# Altium PCB HYDRA_V2.2_NAV.PcbDoc (part 1 of 2) (continued)
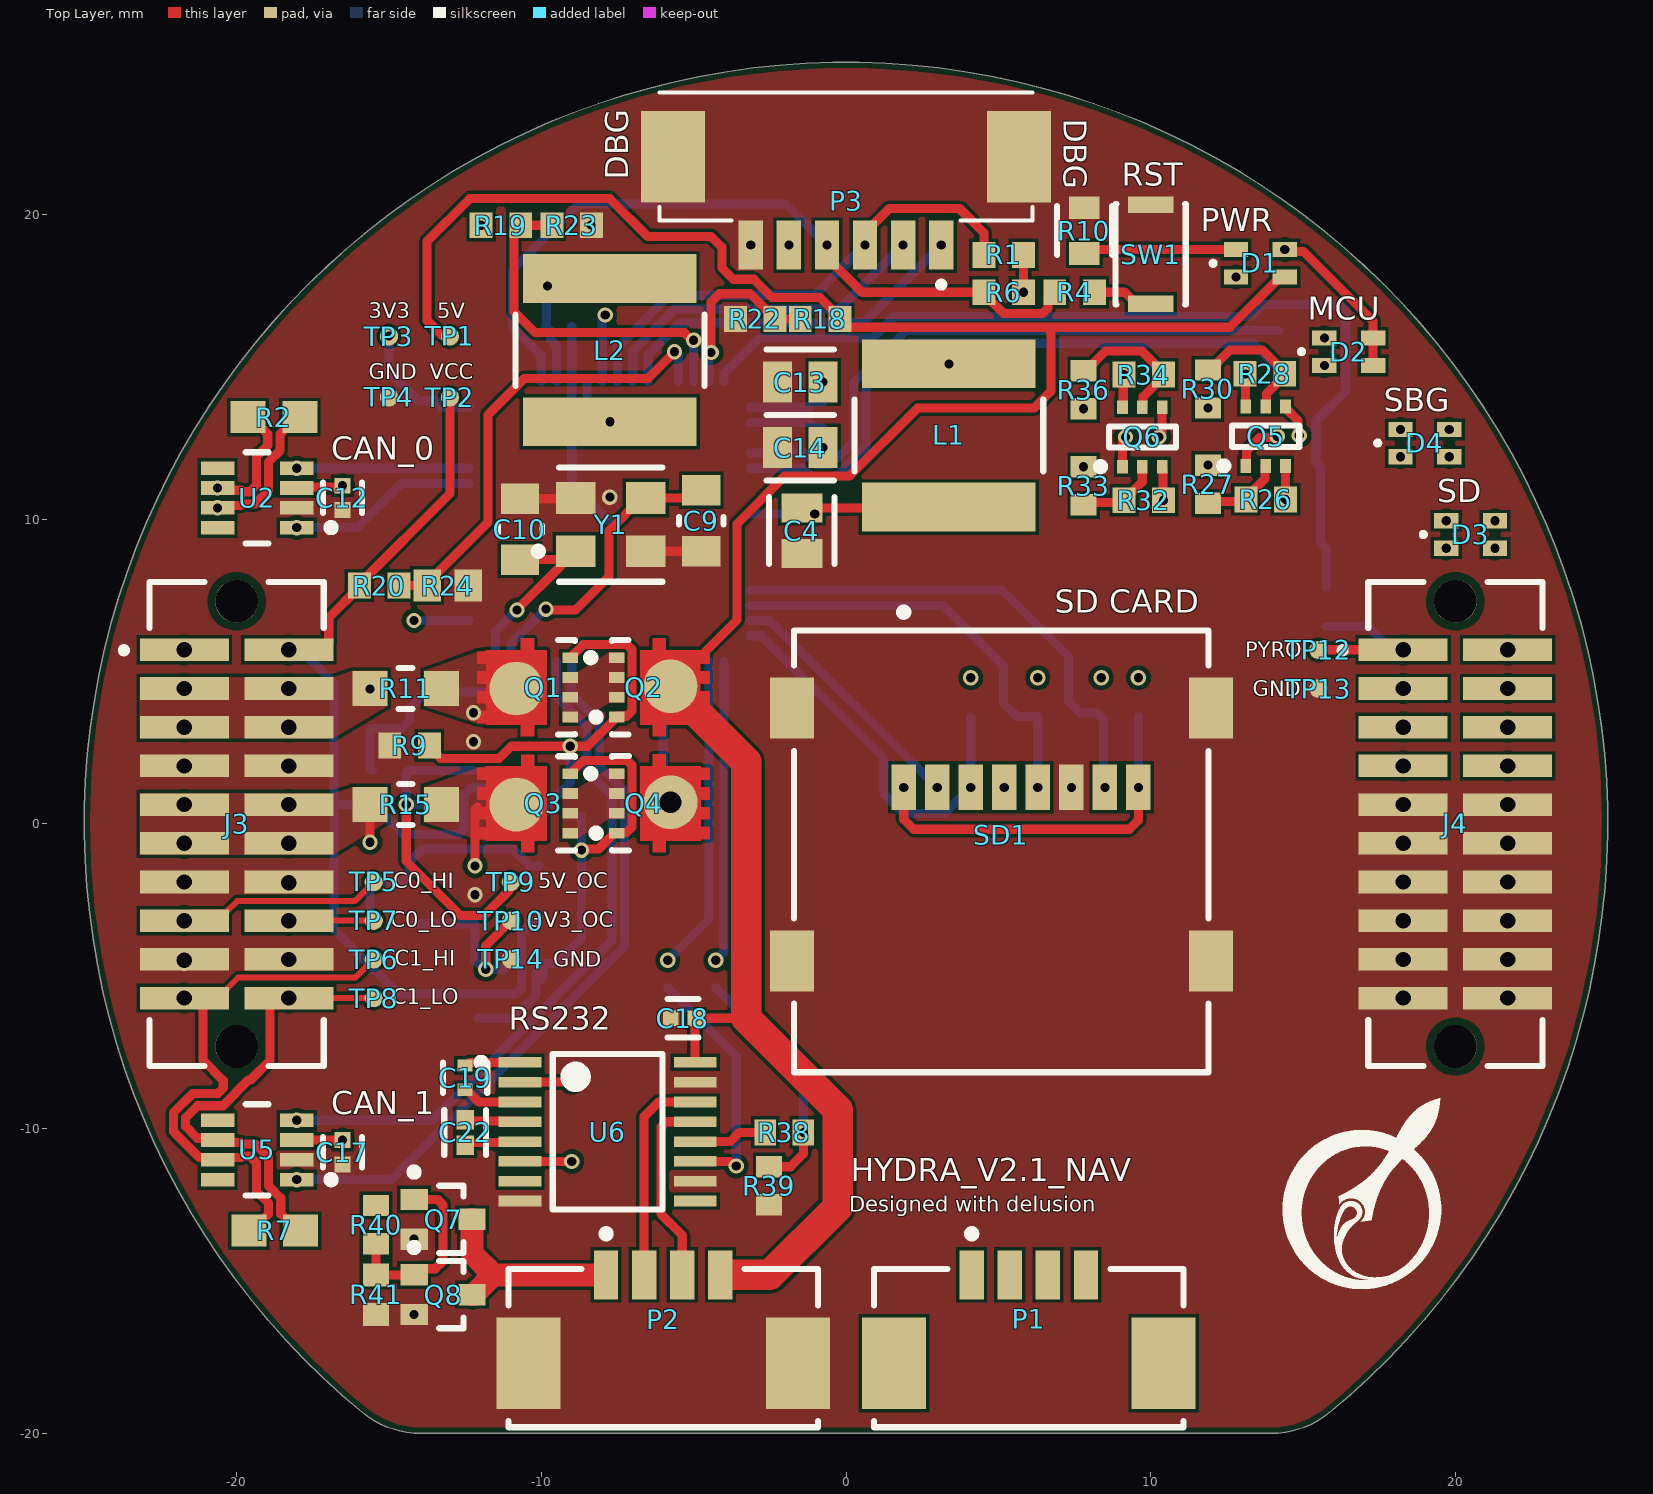
[diagram p0: Top Layer view]
## Design rules (kind name [scope] priority, off if disabled: settings)
BoardOutlineClearance [All] p1: gap=0.2 ignorepadtopadclearanceinfootprint=FALSE
Clearance [All] p1: gap=0.102 ignorepadtopadclearanceinfootprint=FALSE except(0.127: Arc-Via Track-Via SMDPad-Via THPad-Via Via-Via Via-Fill Via-Poly Via-Region Via-Text; 0.25: Arc-Hole Track-Hole SMDPad-Hole THPad-Hole Via-Hole Fill-Hole Poly-Hole Region-Hole Text-Hole)
ComponentClearance [All] p1: gap=0.102 collisioncheckmode=3 verticalgap=0.102 showdistances=TRUE
DiffPairsRouting [All] p1: maxlimit=0.102 minlimit=0.102 mostfreqgap=0.102 toplayer_minwidth=0.102 toplayer_maxwidth=1816.048 toplayer_prefwidth=0.102 midlayer1_minwidth=0.102 midlayer1_maxwidth=1816.048 midlayer1_prefwidth=0.102 midlayer2_minwidth=0.102 midlayer2_maxwidth=1816.048 midlayer2_prefwidth=0.102 bottomlayer_minwidth=0.102 bottomlayer_maxwidth=1816.048 bottomlayer_prefwidth=0.102 maxuncoupledlength=12.7
Height [All] p1: minheight=0 maxheight=1816.048 prefheight=12.7
HoleSize [All] p1: absolutevalues=TRUE maxlimit=6.3 minlimit=0.2 maxpercent=80.000 minpercent=20.000
HoleToHoleClearance [All] p1: gap=0.25 allowstackedmicrovias=FALSE
MinimumAnnularRing [All] p1: minimumring=0.076
MinimumSolderMaskSliver [All] p1: minsoldermaskwidth=0
PlaneClearance [All] p1: clearance=0.102
PlaneConnect PlaneConnectPowerPads [InPadClass('PowerPads')] p1: planeconnectstyle=Direct reliefexpansion=0.508 reliefentries=4 reliefconductorwidth=0.254 reliefairgap=0.254
PlaneConnect [All] p2: pad.planeconnectstyle=Relief pad.reliefexpansion=0.3 pad.reliefentries=4 pad.reliefconductorwidth=0.102 pad.reliefairgap=0.102 via.planeconnectstyle=Direct via.reliefexpansion=0.3 via.reliefentries=4 via.reliefconductorwidth=0.127 via.reliefairgap=0.127
PolygonConnect PolygonConnectPowerPads [All vs (InPadClass('PowerPads'))] p1: connectstyle=Direct reliefconductorwidth=0.254 reliefentries=4 polygonreliefangle="90 Angle" airgapwidth=0.254
PolygonConnect [All] p2: thpad.connectstyle=Relief thpad.reliefconductorwidth=0.102 thpad.reliefentries=4 thpad.polygonreliefangle="90 Angle" thpad.airgapwidth=0.102 smdpad.connectstyle=Direct smdpad.reliefconductorwidth=0.102 smdpad.reliefentries=4 smdpad.polygonreliefangle="90 Angle" smdpad.airgapwidth=0.102 via.connectstyle=Direct via.reliefconductorwidth=0.127 via.reliefentries=4 via.polygonreliefangle="90 Angle" via.airgapwidth=0.127
RoutingVias [All] p1: holewidth=0.2 width=0.45 viastyle="Through Hole" minholewidth=0.2 minwidth=0.45 maxholewidth=6.3 maxwidth=6.55
SilkToSilkClearance [All] p1: silktosilkclearance=0
SilkToSolderMaskClearance [IsPad] p1: minsilkscreentomaskgap=0.102 clearancetoexposedcopper=TRUE
SolderMaskExpansion [All] p1: expansion=0.075 istentingtop=FALSE
Width [All] p1: maxlimit=1816.048 minlimit=0.102 preferedwidth=0.102
20 further rules are at their usual default settings.

## Classes and differential pairs
component class SD: C23 R42 R43 R44 R45 SD1
component class SBG: C18 C19 C20 C21 C22 Q7 Q8 R38 R39 R40 R41 R46 R47 U6
component class OC_PROT: C15 C16 D5 D6 D8 Q1 Q2 Q3 Q4 R9 R11 R12 R13 R14 R15 R16 R17 TP9 TP10 TP14 U3 U4
component class MCU_PINOUT: C1 C2 C3 C4 C5 C6 C7 C8 C9 C10 C11 C12 C13 C14 C17 D1 D2 D3 D4 D7 L1 L2 P3 Q5 Q6 R1 R2 R3 R4 R5 R6 R7 R8 R10 R18 R19 R20 R21 R22 R23 R24 R25 R26 R27 R28 R29 R30 R31 R32 R33 R34 R35 R36 R37 SW1 TP1 TP2 TP3 TP4 TP5 TP6 TP7 TP8 TP12 TP13 U1 U2 U5 Y1 Y2
component class HYDRA_V2.1_NAV: J1 J2 J3 J4 P1 P2
differential pair CAN1_R: +CAN1_R_P -CAN1_R_N
differential pair CAN0_R: +CAN0_R_P -CAN0_R_N

## Components (designator, comment, footprint, x,y, rotation, side; value= is the part's Value field where it differs from the comment)
C1 "C0402C104K8PACTU" FP-C0402-BB-MFG -7.9,17.1 r90 bottom value="0.10 μF"
C2 "GRM155R60J475ME47D" FP-GRM155-0_1-IPC_B -9.425,16.325 r180 bottom
C3 "C0402C104K8PACTU" FP-C0402-BB-MFG -9.4,17.65 r0 bottom value="0.10 μF"
C4 "C0805C106K8PACTU" FP-C0805C-DG-MFG -1.45,9.625 r270 top value=10uF
C5 "C0402C104K8PACTU" FP-C0402-BB-MFG -14.15,13.6 r270 bottom value="0.10 μF"
C6 "C0402C104K8PACTU" FP-C0402-BB-MFG -0.625,10.175 r0 bottom value="0.10 μF"
C7 "C0402C104K8PACTU" FP-C0402-BB-MFG -14.175,6.275 r270 bottom value="0.10 μF"
C8 "C0402C104K8PACTU" FP-C0402-BB-MFG -6.4,3.525 r180 bottom value="0.10 μF"
C9 "08051A6R8CAT2A" FP-0805-L_2_01_0_2-W_1_25-MFG -4.75,9.95 r90 top
C10 "08051A6R8CAT2A" FP-0805-L_2_01_0_2-W_1_25-MFG -10.7,9.675 r270 top
C11 "C0402C104K8PACTU" FP-C0402-BB-MFG -11.35,16.325 r180 bottom value="0.10 μF"
C12 "C0402C104K8PACTU" FP-C0402-BB-MFG -16.525,10.7 r90 top value="0.10 μF"
C13 "C0805C180J5GACTU" FP-C0805C-DN-MFG -1.5,14.5 r180 top value="18 pF"
C14 "C0805C180J5GACTU" FP-C0805C-DN-MFG -1.5,12.35 r180 top value="18 pF"
C15 "C0402C104K8PACTU" FP-C0402-BB-MFG -14,3.325 r0 bottom value="0.10 μF"
C16 "C0402C104K8PACTU" FP-C0402-BB-MFG -13.975,-1.725 r0 bottom value="0.10 μF"
C17 "C0402C104K8PACTU" FP-C0402-BB-MFG -16.525,-10.775 r90 top value="0.10 μF"
C18 "C0402C104K8PACTU" FP-C0402-BB-MFG -5.35,-6.375 r180 top value="0.10 μF"
C19 "C1005X5R1A475K050BC" FP-C1005-050-0_15-MFG -12.5,-8.325 r90 top
C20 "C1005X5R1V334K050BC" FP-C1005-050-0_05-IPC_B -9.417,-8.475 r180 bottom
C21 "C1005X5R1V334K050BC" FP-C1005-050-0_05-IPC_B -9.417,-11.075 r180 bottom
C22 "C1005X5R1V334K050BC" FP-C1005-050-0_05-IPC_B -12.5,-10.125 r90 top
C23 "C0402C104K8PACTU" FP-C0402-BB-MFG 5.2,1.8 r90 bottom value="0.10 μF"
D1 "150066RG54050" WL-SBCD_0606 13.6,18.4 r90 top
D2 "150066RG54050" WL-SBCD_0606 16.5,15.5 r90 top
D3 "150066RG54050" WL-SBCD_0606 20.5,9.5 r90 top
D4 "150066RG54050" WL-SBCD_0606 19,12.5 r90 top
D5 "TS4148RCG" TS4148RCG-Footprint-1 -12.6,0.425 r180 bottom
D6 "TS4148RCG" TS4148RCG-Footprint-1 -10.65,-4.8 r180 bottom
D7 "BZX84-A3V3,215" SOT95P230X110-3N 14.275,11.85 r0 bottom
D8 "TS4148RCG" TS4148RCG-Footprint-1 -9.3,0.347 r0 bottom
J1 "SFML-110-02-L-D-A" SFML-110-02-L-D-A-Footprint-1 -20,0 r270 bottom
J2 "SFML-110-02-L-D-A" SFML-110-02-L-D-A-Footprint-1 20,0 r270 bottom
J3 "TFML-110-02-L-D-A" TFML-110-02-L-D-A-Footprint-1 -20,0 r270 top
J4 "TFML-110-02-L-D-A" TFML-110-02-L-D-A-Footprint-1 20,0 r270 top
L1 "NR6028T100M" FP-NR6028-MFG 3.375,12.75 r270 top
L2 "NR6028T100M" FP-NR6028-MFG -7.75,15.55 r90 top
P1 "53261-0471" MOLEX-53261-0471_V 6,-16.25 r0 top locked
P2 "53261-0471" MOLEX-53261-0471_V -6,-16.25 r0 top
P3 "0532610671" 0532610671-Footprint-1 0,19 r180 top locked
Q1 "SISH615ADN-T1-GE3" SISH615ADN-T1-GE3-Footprint-1 -10.452,4.445 r90 top
Q2 "SISH615ADN-T1-GE3" SISH615ADN-T1-GE3-Footprint-1 -6.127,4.52 r270 top
Q3 "SISH615ADN-T1-GE3" SISH615ADN-T1-GE3-Footprint-1 -10.45,0.635 r90 top
Q4 "SISH615ADN-T1-GE3" SISH615ADN-T1-GE3-Footprint-1 -6.125,0.713 r270 top
Q5 "BSS84AKS,115" NXP-SOT363_L 13.775,12.725 r90 top
Q6 "BSS84AKS,115" NXP-SOT363_L 9.725,12.7 r90 top
Q7 "BSS138W-7-F" DIOD-SOT323-3_V -13.225,-12.975 r0 top
Q8 "BSS138W-7-F" DIOD-SOT323-3_V -13.225,-15.45 r0 top
R1 "ERJ3EKF1002V" RESC1609X55X30LL15T15 5.175,18.675 r0 top
R2 "ERJ-3EKF1200V" RESC1609X55X30ML15T15 -18.775,13.35 r0 top
R3 "CRCW060351R0FKEA" FP-CRCW0603-e3-MFG 14.95,16.2 r180 bottom
R4 "ERJ-3EKF3300V" RESC1608X55X30LL15T15#1 7.5,17.45 r0 top
R5 "CRCW060351R0FKEA" FP-CRCW0603-e3-MFG 14.966,14.805 r180 bottom
R6 "ERJ3EKF1002V" RESC1609X55X30LL15T15 5.175,17.45 r180 top
R7 "ERJ-3EKF1200V" RESC1609X55X30ML15T15 -18.75,-13.35 r180 top
R8 "ERJ-3EKF3300V" RESC1608X55X30LL15T15#1 12.15,17.95 r180 bottom
R9 "ERJ3EKF1002V" RESC1609X55X30LL15T15 -14.325,2.575 r0 top
R10 "CRCW060351R0FKEA" FP-CRCW0603-e3-MFG 7.825,19.475 r90 top
R11 "ERJ-6DSFR10V" FP-ERJ6D-MFG -14.453,4.445 r0 top
R12 "ERJ3EKF1002V" RESC1609X55X30LL15T15 -15.625,3.775 r90 bottom
R13 "ERJ3EKF1002V" RESC1609X55X30LL15T15 -12.725,-6.375 r0 bottom
R14 "RT0603BRD071ML" RESC1608X55X30NL20T20 -15,1.75 r180 bottom
R15 "ERJ-6DSFR10V" FP-ERJ6D-MFG -14.45,0.635 r0 top
R16 "ERJ3EKF1002V" RESC1609X55X30LL15T15 -15.625,-1.25 r90 bottom
R17 "RT0603BRD071ML" RESC1608X55X30NL20T20 -14.95,-3.275 r180 bottom
R18 "ERJ3EKF1002V" RESC1609X55X30LL15T15 -0.85,16.575 r0 top
R19 "ERJ3EKF1002V" RESC1609X55X30LL15T15 -11.325,19.65 r180 top
R20 "ERJ3EKF1002V" RESC1609X55X30LL15T15 -15.318,7.825 r180 top
R21 "ERJ3EKF1002V" RESC1609X55X30LL15T15 15.75,7.125 r270 bottom
R22 "ERJ3EKF1002V" RESC1609X55X30LL15T15 -2.975,16.575 r0 top
R23 "ERJ3EKF1002V" RESC1609X55X30LL15T15 -9,19.65 r180 top
R24 "CRCW06032K70JNEA" RESC1609X50X30ML10T20 -13.075,7.825 r180 top
R25 "CRCW06032K70JNEA" RESC1609X50X30ML10T20 15.075,9.05 r0 bottom
R26 "ERJ3EKF1002V" RESC1609X55X30LL15T15 13.775,10.65 r0 top
R27 "ERJ-3EKF1001V" RESC1608X55X30LL15T15#2 11.875,11.15 r270 top
R28 "ERJ3EKF1002V" RESC1609X55X30LL15T15 13.75,14.775 r180 top
R29 "ERJ3EKF56R0V" RESC1608X55X30NL15T15 19.025,8.875 r0 bottom
R30 "ERJ-3EKF1001V" RESC1608X55X30LL15T15#2 11.875,14.275 r90 top
R31 "ERJ3EKF56R0V" RESC1608X55X30NL15T15 19.025,10.15 r0 bottom
R32 "ERJ3EKF1002V" RESC1609X55X30LL15T15 9.775,10.625 r0 top
R33 "ERJ-3EKF1001V" RESC1608X55X30LL15T15#2 7.8,11.1 r270 top
R34 "ERJ3EKF1002V" RESC1609X55X30LL15T15 9.775,14.75 r180 top
R35 "ERJ3EKF56R0V" RESC1608X55X30NL15T15 17.525,11.875 r0 bottom
R36 "ERJ-3EKF1001V" RESC1608X55X30LL15T15#2 7.8,14.25 r90 top
R37 "ERJ3EKF56R0V" RESC1608X55X30NL15T15 17.525,13.125 r0 bottom
R38 "ERJ-3EKF1001V" RESC1608X55X30LL15T15#2 -2.025,-10.125 r180 top
R39 "ERJ3EKF1801V" RESC1608X55X30LL15T15#2 -2.525,-11.875 r90 top
R40 "ERJ-3EKF1001V" RESC1608X55X30LL15T15#2 -15.425,-13.15 r270 top
R41 "ERJ3EKF1002V" RESC1609X55X30LL15T15 -15.425,-15.45 r90 top
R42 "ERJ3EKF1002V" RESC1609X55X30LL15T15 6.295,4.15 r90 bottom
R43 "ERJ3EKF1002V" RESC1609X55X30LL15T15 4.095,4.15 r90 bottom
R44 "ERJ3EKF1002V" RESC1609X55X30LL15T15 8.375,4.15 r90 bottom
R45 "ERJ3EKF1002V" RESC1609X55X30LL15T15 9.595,4.15 r90 bottom
R46 "0402 JUMPER 0 OHM" RESC1005X40X25NL05T05 -5.85,-4.925 r270 bottom
R47 "0402 JUMPER 0 OHM" RESC1005X40X25NL05T05 -4.275,-4.925 r270 bottom
SD1 "47219-2001" MOLX-47219-2001-8_V 5.1,-0.35 r0 top
SW1 "KXT331LHS" FP-KXT331LHS-MFG 10,18.7 r90 top locked
TP1 "TPAD6R" TP06R#1 -22.125,24.7 r90 top
TP2 "TPAD6R" TP06R#2 -14.025,15.8 r90 top
TP3 "TPAD6R" TP06R#3 -22.85,24.45 r90 top
TP4 "TPAD6R" TP06R#4 -23.975,22.625 r90 top
TP5 "TPAD6R" TP06R#5 -28.375,-1.905 r90 top
TP6 "TPAD6R" TP06R#6 -29.725,-4.445 r90 top
TP7 "TPAD6R" TP06R#7 -15.65,-3.175 r90 top
TP8 "TPAD6R" TP06R#8 -41.738,-5.715 r90 top
TP9 "TPAD6R" TP06R#9 -11,-1.905 r90 top
TP10 "TPAD6R" TP06R#10 -11.062,-3.175 r90 top
TP12 "TPAD6R" TP06R#11 15.325,5.715 r90 top
TP13 "TPAD6R" TP06R#12 30.1,4.445 r90 top
TP14 "TPAD6R" TP06R#13 -10.862,-4.445 r90 top
U1 "SAM_E51_64VQFN" SAM_E51_64VQFN-Footprint-1 -4,5.325 r180 bottom
U2 "TCAN330GDCNR" FP-DCN0008A-MFG -19.325,10.7 r180 top
U3 "TLV1805DBVR" FP-DBV0006A-IPC_C -11.175,2.7 r0 bottom
U4 "TLV1805DBVR" FP-DBV0006A-IPC_C -11.125,-2.325 r0 bottom
U5 "TCAN330GDCNR" FP-DCN0008A-MFG -19.325,-10.7 r180 top
U6 "MAX3232EUE+T" FP-U16-1-MFG -7.825,-10.1 r0 top
Y1 "ABM8-48.000MHZ-B2-T" FP-ABM8-MFG -7.725,9.825 r0 top
Y2 "ECS-.327-12.5-1210-TR" FP-ECX-1210-MFG -0.75,13.425 r270 bottom

## Footprints (in the part's own frame and the unit in brackets; to place one, negate y for a bottom-side part, rotate by r counter-clockwise, add the part's x,y. Pads: shape width x height; smd on the part's side, far side on the other; paste and mask are expansions set on the pad)
0532610671-Footprint-1 [mm]
  rect 0.8x1.6 smd: 1(-3.125,0) 2(-1.875,0) 3(-0.625,0) 4(0.625,0) 5(1.875,0) 6(3.125,0)
  rect 2.1x3 smd: S1(-5.675,-2.9) S2(5.675,-2.9)
  silkscreen extent -6.12,-5 6.12,1.4
DIOD-SOT323-3_V [mm] "SOT323, 3-Leads, Body 2.2x1.35mm, Pitch 0.65mm"
  rect 0.9x0.7 smd: 1(-0.95,0.65) 2(-0.95,-0.65) 3(0.95,0)
  silkscreen extent -1.07,-1.1 0.67,1.67, body extent -1.1,-1.1 1.1,1.1, height 1.07
FP-0805-L_2_01_0_2-W_1_25-MFG [mm]
  rect 1x1.25 smd paste+0 mask+0: 1(-1,0) 2(1,0)
  silkscreen extent -0.13,-0.72 0.13,0.72, body extent -1.6,-0.82 1.6,0.82, height 0.25
FP-ABM8-MFG [mm]
  rect 1.3x1.05 smd paste+0 mask+0: 1(-1.15,-0.875) 2(1.15,-0.875) 3(1.15,0.875) 4(-1.15,0.875)
  silkscreen extent -2.5,-1.88 1.7,1.88, body extent -1.6,-1.25 1.6,1.25, height 0.8
FP-C0402-BB-MFG [mm]
  rect 0.52x0.52 smd paste+0 mask+0: 1(-0.4,0) 2(0.4,0)
  silkscreen extent -0.5,-0.64 0.5,0.64, body extent -0.5,-0.25 0.5,0.25, height 0.55
FP-C0805C-DG-MFG [mm]
  rect 0.95x1.35 smd paste+0 mask+0: 1(-0.75,0) 2(0.75,0)
  silkscreen extent -1.11,-1.08 1.1,1.07, body extent -1.4,-0.85 1.4,0.85, height 0.25
FP-C0805C-DN-MFG [mm]
  rect 0.95x1.35 smd paste+0 mask+0: 1(-0.75,0) 2(0.75,0)
  silkscreen extent -1.1,-1.07 1.1,1.07, body extent -1.4,-0.85 1.4,0.85, height 0.25
FP-C1005-050-0_05-IPC_B [mm]
  rect 0.639x0.572 smd paste+0 mask+0: 1(-0.417,0) 2(0.417,0)
  silkscreen extent -0.74,-0.69 0.74,0.69, body extent -0.5,-0.25 0.5,0.25, height 0.55
FP-C1005-050-0_15-MFG [mm]
  rect 0.4x0.5 smd paste+0 mask+0: 1(-0.4,0) 2(0.4,0)
  silkscreen extent -0.5,-0.72 0.5,0.72, body extent -0.7,-0.43 0.7,0.43, height 0.25
FP-CRCW0603-e3-MFG [mm]
  rect 0.75x1 smd paste+0 mask+0: 1(-0.75,0) 2(0.75,0)
  silkscreen extent -0.8,-0.9 0.8,0.9, body extent -0.77,-0.43 0.77,0.43, height 0.5
FP-DBV0006A-IPC_C [mm]
  rect 1.205x0.53 smd paste+0 mask+0: 1(-1.05,0.95)
  rrect100% 1.205x0.53 smd paste+0 mask+0: 2(-1.05,0) 3(-1.05,-0.95) 4(1.05,-0.95) 5(1.05,0) 6(1.05,0.95)
  silkscreen extent -2.33,-1.45 0.05,1.45, body extent -1.4,-1.45 1.4,1.45, height 1.45
FP-DCN0008A-MFG [mm]
  rect 1.1x0.45 smd paste+0 mask+0: 1(-1.3,0.975) 2(-1.3,0.325) 3(-1.3,-0.325) 4(-1.3,-0.975) 5(1.3,-0.975) 6(1.3,-0.325) 7(1.3,0.325) 8(1.3,0.975)
  silkscreen extent -2.55,-1.5 0.38,1.5, body extent -1.95,-1.85 1.95,1.85, height 0.25
FP-ECX-1210-MFG [mm]
  rect 0.575x1.14 smd paste+0 mask+0: 1(-0.413,0) 2(0.413,0)
  silkscreen extent -0.65,-0.95 0.65,0.95, body extent -0.6,-0.5 0.6,0.5, height 0.5
FP-ERJ6D-MFG [mm]
  rect 1.15x1.15 smd paste+0 mask+0: 1(-1.175,0) 2(1.175,0)
  silkscreen extent -0.23,-0.67 0.23,0.67, body extent -1.85,-0.77 1.85,0.77, height 0.25
FP-GRM155-0_1-IPC_B [mm]
  rect 0.615x0.572 smd paste+0 mask+0: 1(-0.429,0) 2(0.429,0)
  silkscreen extent -0.74,-0.69 0.74,0.69, body extent -0.5,-0.25 0.5,0.25, height 0.6
FP-KXT331LHS-MFG [mm]
  rect 0.55x1.5 smd paste+0 mask+0: 1(-1.625,0) 2(1.625,0)
  silkscreen extent -1.65,-1.15 1.65,1.15, body extent -2,-1.25 2,1.25, height 0.25
FP-NR6028-MFG [mm]
  rect 1.6x5.7 smd paste+0 mask+0: 1(-2.35,0) 2(2.35,0)
  silkscreen extent -1.17,-3.1 1.17,3.1, body extent -3.25,-3.2 3.25,3.2, height 0.25
FP-U16-1-MFG [mm]
  rect 1.4x0.35 smd paste+0 mask+0: 1(-2.875,2.275) 2(-2.875,1.625) 3(-2.875,0.975) 4(-2.875,0.325) 5(-2.875,-0.325) 6(-2.875,-0.975) 7(-2.875,-1.625) 8(-2.875,-2.275) 9(2.875,-2.275) 10(2.875,-1.625) 11(2.875,-0.975) 12(2.875,-0.325) 13(2.875,0.325) 14(2.875,0.975) 15(2.875,1.625) 16(2.875,2.275)
  silkscreen extent -4.27,-2.55 1.8,2.55, body extent -3.67,-2.8 3.67,2.8, height 0.25
MOLEX-53261-0471_V [mm] "SMD, 4-Leads, Body 10.15x5.2mm, Pitch 1.25mm"
  rect 0.8x1.6 smd: 1(-1.875,1.45) 2(-0.625,1.45) 3(0.625,1.45) 4(1.875,1.45)
  rect 2.1x3 smd: MP1(-4.425,-1.45) MP2(4.425,-1.45)
  silkscreen extent -5.08,-3.55 5.08,2.93, body extent -5.08,-3.55 5.07,1.65, height 3.4
MOLX-47219-2001-8_V [mm] "CONN, 8-Leads, Body 14.5x13.6mm, Pitch 1.1mm"
  rect 0.8x1.5 smd: 1(-3.205,1.55) 2(-2.105,1.55) 3(-1.005,1.55) 4(0.095,1.55) 5(1.195,1.55) 6(2.295,1.55) 7(3.395,1.55) 8(4.495,1.55)
  rect 1.45x2 smd: 9(6.875,4.15) 10(6.875,-4.15) 11(-6.875,-4.15) 12(-6.875,4.15)
  silkscreen extent -6.8,-7.8 6.8,7.42, body extent -7.3,-7.79 7.3,6.71, height 1.91
NXP-SOT363_L [mm] "SOT23, 6-Leads, Body 2.2x1.35mm, Pitch 0.65mm, IPC High Density"
  rect 0.45x0.35 smd: 1(-0.975,0.65) 2(-0.975,0) 3(-0.975,-0.65) 4(0.975,-0.65) 5(0.975,0) 6(0.975,0.65)
  silkscreen extent -1.1,-1.1 0.35,1.5, body extent -0.67,-1.1 0.67,1.1, height 1.1
RESC1005X40X25NL05T05 [mm] "Chip Resistor, 2-Leads, Body 1.00x0.50mm, IPC Medium Density"
  rect 0.55x0.55 smd: 1(-0.45,0) 2(0.45,0)
  body extent -0.53,-0.27 0.53,0.28, height 0.4
RESC1608X55X30LL15T15#1 [mm] "Chip Resistor, 2-Leads, Body 1.75x0.95mm, IPC High Density"
  rect 0.75x0.85 smd: 1(-0.65,0) 2(0.65,0)
  body extent -0.87,-0.48 0.87,0.48, height 0.55
RESC1608X55X30LL15T15#2 [mm] "Chip Resistor, 2-Leads, Body 1.60x0.80mm, IPC High Density"
  rect 0.7x0.85 smd: 1(-0.625,0) 2(0.625,0)
  body extent -0.87,-0.48 0.87,0.48, height 0.55
RESC1608X55X30NL15T15 [mm] "Chip Resistor, 2-Leads, Body 1.60x0.80mm, IPC Medium Density"
  rect 0.8x0.95 smd: 1(-0.675,0) 2(0.675,0)
  body extent -0.87,-0.48 0.87,0.48, height 0.55
RESC1608X55X30NL20T20 [mm] "Chip Resistor, 2-Leads, Body 1.60x0.80mm, IPC Medium Density"
  rect 0.9x1 smd: 1(-0.65,0) 2(0.65,0)
  body extent -0.9,-0.5 0.9,0.5, height 0.55
RESC1609X50X30ML10T20 [mm] "Chip Resistor, 2-Leads, Body 1.55x0.85mm, IPC Low Density"
  rect 0.9x1.05 smd: 1(-0.675,0) 2(0.675,0)
  body extent -0.82,-0.48 0.82,0.48, height 0.5
RESC1609X55X30LL15T15 [mm] "Chip Resistor, 2-Leads, Body 1.75x0.95mm, IPC High Density"
  rect 0.75x0.85 smd: 1(-0.65,0) 2(0.65,0)
  body extent -0.87,-0.48 0.87,0.48, height 0.55
RESC1609X55X30ML15T15 [mm] "Chip Resistor, 2-Leads, Body 1.75x0.95mm, IPC Low Density"
  rect 1.15x1.05 smd: 1(-0.85,0) 2(0.85,0)
  body extent -0.87,-0.48 0.87,0.48, height 0.55
SAM_E51_64VQFN-Footprint-1 [mm]
  rect 0.85x0.3 smd: 1(-0.85,8.35) 2(-0.85,7.85) 3(-0.85,7.35) 4(-0.85,6.85) 5(-0.85,6.35) 6(-0.85,5.85) 7(-0.85,5.35) 8(-0.85,4.85) 9(-0.85,4.35) 10(-0.85,3.85) 11(-0.85,3.35) 12(-0.85,2.85) 13(-0.85,2.35) 14(-0.85,1.85) 15(-0.85,1.35) 16(-0.85,0.85) 33(8.382,0.85) 34(8.382,1.35) 35(8.382,1.85) 36(8.382,2.35) 37(8.382,2.85) 38(8.382,3.35) 39(8.382,3.85) 40(8.382,4.35) 41(8.382,4.85) 42(8.382,5.35) 43(8.382,5.85) 44(8.382,6.35) 45(8.382,6.85) 46(8.382,7.35) 47(8.382,7.85) 48(8.382,8.35)
  rect 0.3x0.85 smd: 17(0,0) 18(0.5,0) 19(1,0) 20(1.5,0) 21(2,0) 22(2.5,0) 23(3,0) 24(3.5,0) 25(4,0) 26(4.5,0) 27(5,0) 28(5.5,0) 29(6,0) 30(6.5,0) 31(7,0) 32(7.5,0) 49(7.5,9.2) 50(7,9.2) 51(6.5,9.2) 52(6,9.2) 53(5.5,9.2) 54(5,9.2) 55(4.5,9.2) 56(4,9.2) 57(3.5,9.2) 58(3,9.2) 59(2.5,9.2) 60(2,9.2) 61(1.5,9.2) 62(1,9.2) 63(0.5,9.2) 64(0,9.2)
  rect 4.7x4.7 smd: 65(3.75,4.6)
SFML-110-02-L-D-A-Footprint-1 [mm]
  rect 0.74x2.22 smd: 01(-5.715,1.365) 02(-5.715,-1.365) 03(-4.445,1.365) 04(-4.445,-1.365) 05(-3.175,1.365) 06(-3.175,-1.365) 07(-1.905,1.365) 08(-1.905,-1.365) 09(-0.635,1.365) 10(-0.635,-1.365) 11(0.635,1.365) 12(0.635,-1.365) 13(1.905,1.365) 14(1.905,-1.365) 15(3.175,1.365) 16(3.175,-1.365) 17(4.445,1.365) 18(4.445,-1.365) 19(5.715,1.365) 20(5.715,-1.365)
  round 1.4 hole 1.4 unplated: ""(-7.305,0) ""(7.305,0)
  silkscreen extent -6.54,-1.53 6.54,3.17
SISH615ADN-T1-GE3-Footprint-1 [mm]
  rect 0.35x0.5 smd paste+0 mask+0: 1(-0.937,-1.4) 2(-0.288,-1.4) 3(0.363,-1.4) 4(1.012,-1.4)
  round 1.769 smd paste+0 mask+0: 5-6-7-8(0,0.367)
  Top Layer region: -1.187,-0.63 -1.187,-0.215 -1.568,-0.215 -1.568,0.215 -1.187,0.215 -1.187,1.35 -1.137,1.35 -1.137,1.65 -0.737,1.65 -0.737,1.35 -0.487,1.35 -0.487,1.65 -0.088,1.65 -0.088,1.35 0.163,1.35 0.163,1.65 0.563,1.65 0.563,1.35 0.813,1.35 0.813,1.65 1.212,1.65 1.212,1.35 1.262,1.35 1.262,0.215 1.643,0.215 1.643,-0.215 1.262,-0.215 1.262,-0.63
  silkscreen extent -1.51,-2.38 1.59,-1.01, body extent -1.67,-1.75 1.74,1.75, height 0.25
SOT95P230X110-3N [mm] "SOT23, 3-Leads, Body 2.90x2.30mm, Pitch 0.95mm, IPC Medium Density"
  rect 0.9x0.6 smd: 1(-1.15,0.95) 2(-1.15,-0.95) 3(1.15,0)
  silkscreen extent -1.27,-1.5 0.7,1.92, body extent -0.7,-1.5 0.7,1.5, height 1.1
TFML-110-02-L-D-A-Footprint-1 [mm]
  rect 0.74x2.92 smd: 01(-5.715,-1.715) 02(-5.715,1.715) 03(-4.445,-1.715) 04(-4.445,1.715) 05(-3.175,-1.715) 06(-3.175,1.715) 07(-1.905,-1.715) 08(-1.905,1.715) 09(-0.635,-1.715) 10(-0.635,1.715) 11(0.635,-1.715) 12(0.635,1.715) 13(1.905,-1.715) 14(1.905,1.715) 15(3.175,-1.715) 16(3.175,1.715) 17(4.445,-1.715) 18(4.445,1.715) 19(5.715,-1.715) 20(5.715,1.715)
  round 1.4 hole 1.4 unplated: ""(-7.305,0) ""(7.305,0)
  silkscreen extent -7.94,-3.8 7.94,2.86
TP06R#1 [mm] "Testpoint, round, d=0.6mm"
  round 0.6 smd paste-1: 1(-8.7,-9.125)
TP06R#2 [mm] "Testpoint, round, d=0.6mm"
  round 0.6 smd paste-1: 1(-1.8,-1.025)
TP06R#3 [mm] "Testpoint, round, d=0.6mm"
  round 0.6 smd paste-1: 1(-8.45,-7.85)
TP06R#4 [mm] "Testpoint, round, d=0.6mm"
  round 0.6 smd paste-1: 1(-8.625,-8.975)
TP06R#5 [mm] "Testpoint, round, d=0.6mm"
  round 0.6 smd paste-1: 1(0,-12.875)
TP06R#6 [mm] "Testpoint, round, d=0.6mm"
  round 0.6 smd paste-1: 1(0,-14.225)
TP06R#7 [mm] "Testpoint, round, d=0.6mm"
  round 0.6 smd paste-1: 1(0,-0.15)
TP06R#8 [mm] "Testpoint, round, d=0.6mm"
  round 0.6 smd paste-1: 1(0,-26.238)
TP06R#9 [mm] "Testpoint, round, d=0.6mm"
  round 0.6 smd paste-1: 1(0,0)
TP06R#10 [mm] "Testpoint, round, d=0.6mm"
  round 0.6 smd paste-1: 1(0,-0.062)
TP06R#11 [mm] "Testpoint, round, d=0.6mm"
  round 0.6 smd paste-1: 1(0,-0.175)
TP06R#12 [mm] "Testpoint, round, d=0.6mm"
  round 0.6 smd paste-1: 1(0,14.6)
TP06R#13 [mm] "Testpoint, round, d=0.6mm"
  round 0.6 smd paste-1: 1(0,0.138)
TS4148RCG-Footprint-1 [mm]
  rect 0.55x0.9 smd: A(0.6,0) C(-0.6,0)
  silkscreen extent -1.85,-0.1 -1.65,0.1
WL-SBCD_0606 [mm] "SMT Bi-color Chip LED Diffuesed, body 1.5x1.6mm"
  rect 0.5x0.8 smd: 1(-0.45,0.8) 2(-0.45,-0.8) 3(0.45,-0.8) 4(0.45,0.8)
  silkscreen extent -0.07,1.47 0.07,1.62, body extent -0.75,-0.8 0.75,0.8, height 0.55

## Part data
C1 C3 C5 C6 C7 C8 C11 C12 C15 C16 C17 C18 C23: library part CMP-2008-02046-2, "CAP CER 0.1UF 10V X5R 0402", Capacitance="0.10 μF", Manufacturer=Kemet, Package=C0402-BB, Temperature="-55°C to +125°C", Temperature Characteristic=X5R, Temperature Coefficient=15%, Temperature Range High=+125°C, Temperature Range Low=-55°C, Tolerance=0.1, Voltage Rating="10 V", Automotive=No, Category=Cap, ComponentLink2Description=Datasheet, ComponentLink2URL=https://content.kemet.com/datasheets/KEM_C1002_X7R_SMD.pdf, Device Class L1="Passive Components", Device Class L2=Capacitors, Device Class L3="Ceramic Capacitors", Digikey Description="CAP CER 0.1UF 10V X5R 0402", Height=0.55mm, Ipc Land Pattern Name=CAPC10050X50, Lead Free=Yes, Manufacturer Part Number=C0402C104K8PACTU, Material=Ceramic, Mouser Description="Capacitor 100 nF 10 VDC 0402", Octopart=https://octopart.com/c0402c104k8pactu-kemet-140039, RoHS=TRUE
C2: library part CMP-2008-04549-2, "Chip Multilayer Ceramic Capacitors for General Purpose, 0402, 4.7uF, X5R, 15%, 20%, 6.3V", Capacitance=4.7uF, Case Code (Imperial)=0402, Case Code (Metric)=1005, Dielectric=X5R, Max Operating Temperature=85°C, Min Operating Temperature=-55°C, Package Quantity=10000, Tolerance=20%, Voltage=6.3V, Case/Package=0402, Contact Plating=Tin, Depth=0.5mm, Height=0.5mm, Lead Free="Lead Free", Length=1mm, Mount="Surface Mount", Packaging="Tape and Reel", REACH SVHC="No SVHC", Termination=SMD/SMT, Thickness=0.022inch, Voltage Rating=6.3V, Voltage Rating (DC)=6.3V, Weight=0.000212oz, Width=0.02inch
C4: library part CMP-2007-03243-2, "CAP CER 10UF 10V X5R 0805", 3DS Part Number=220-00001, Capacitance=10uF, Manufacturer=Kemet, Package=C0805C-DG, Temperature="-55°C to +85°C", Temperature Characteristic=X5R, Temperature Coefficient=15%, Temperature Range High=+85°C, Temperature Range Low=-55°C, Tolerance=10%, Voltage=10V, Automotive=No, Category=Cap, ComponentLink2Description=Datasheet, ComponentLink2URL=https://content.kemet.com/datasheets/KEM_C1006_X5R_SMD.pdf, Device Class L1="Passive Components", Device Class L2=Capacitors, Device Class L3="Ceramic Capacitors", Digikey Description="CAP CER 10UF 10V X5R 0805", Height=1.4mm, Ipc Land Pattern Name=CAPC200125X125, Lead Free=Yes, Manufacturer Part Number=C0805C106K8PACTU, Material=Ceramic, Mouser Description="CAP CER 10UF 10V X5R 0805", Octopart=https://octopart.com/c0805c106k8pactu-kemet-98697, RoHS=TRUE, Voltage Rating=10V
C9 C10: library part CMP-1036-00709-3, "General Purpose Ceramic Capacitor, 0805, 6.8pF, 0.25pF, C0G, 30ppm/°C, 100V", Capacitance=6.8pF, Case Code (Imperial)=0805, Case Code (Metric)=2012, Dielectric=C0G, Dielectric Material=Ceramic, Insulation Resistance=100GR, Max Operating Temperature=125°C, Min Operating Temperature=-55°C, Package Quantity=1, Temperature Coefficient=0ppm/°C, Tolerance=5%, Voltage=100V, Case/Package=0805, Construction=Flat, Contact Plating=Tin, Depth=1.25mm, Dissipation Factor=10%, Height=0.71mm, Lead Free="Lead Free", Length=2.01mm, Mount="Surface Mount", Number of Pins=2, Packaging="Tape and Reel", Radiation Hardening=No, REACH SVHC="No SVHC", RoHS Compliant=Yes, Series=-, Termination=SMD/SMT, Thickness=0.037inch, Voltage Rating=100V, Voltage Rating (DC)=100V, Width=0.049inch
C13 C14: library part CMP-2007-00302-2, "CAP CER 18PF 50V C0G/NP0 0805", Capacitance="18 pF", Manufacturer=KEMET, Package=C0805C-DN, Temperature="-55°C to +125°C", Temperature Characteristic=C0G, Temperature Coefficient=30ppm/°C, Temperature Range High=+125°C, Temperature Range Low=-55°C, Tolerance=0.05, Voltage Rating="50 V", Automotive=No, Category=Cap, ComponentLink2Description=Datasheet, ComponentLink2URL=https://content.kemet.com/datasheets/KEM_C1003_C0G_SMD.pdf, Device Class L1="Passive Components", Device Class L2=Capacitors, Device Class L3="Ceramic Capacitors", Digikey Description="CAP CER 18PF 50V C0G/NP0 0805", Height=0.88mm, Ipc Land Pattern Name=CAPC200125X78, Lead Free=Yes, Manufacturer Part Number=C0805C180J5GACTU, Material=Ceramic, Mouser Description="Cap Ceramic 18pF 50V C0G 5% SMD 0805 125C Paper T/R", Octopart=https://octopart.com/c0805c180j5gactu-kemet-144810, RoHS=TRUE
C19: library part CMP-2000-05997-2, "CAP CER 4.7UF 10V X5R 0402", Capacitance=4.7uF, Case Code (Imperial)=0402, Case Code (Metric)=1005, Dielectric=X5R, Dielectric Material=Ceramic, Max Operating Temperature=85°C, Min Operating Temperature=-55°C, Package Quantity=10000, Tolerance=10%, Voltage Rating=10V, Case/Package=0402, Lead Free="Lead Free", Length=0.039inch, Mount="Surface Mount", Packaging="Cut Tape", REACH SVHC="No SVHC", RoHS Compliant=Yes, Series=C, Thickness=0.022inch, Voltage Rating (DC)=10V, Width=0.02inch
C20 C21 C22: library part CMP-08246-005306-1, "Multilayer Ceramic Capacitors 330nF ±10% 35V X5R SMD 0402", Capacitance=330nF, Case Code (Imperial)=0402, Case Code (Metric)=1005, Dielectric=X5R, Dielectric Material=Ceramic, Max Operating Temperature=85°C, Min Operating Temperature=-55°C, Package Quantity=10000, Tolerance=10%, Voltage Rating=35V, Case/Package=0402, Height=0.5mm, Lead Free="Lead Free", Length=0.039inch, Mount="Surface Mount", Packaging="Tape and Reel", RoHS Compliant=Yes, Series=C, Termination=SMD/SMT, Thickness=0.022inch, Voltage Rating (DC)=35V, Weight=2.3E-05oz, Width=0.02inch
D1 D2 D3 D4: library part CMP-004-00034-2, "Led, Red/Grn, 180Mcd/230Mcd, 624Nm/525Nm Rohs Compliant: Yes"
D5 D6 D8: library part CMP-004-00036-1, "SMD Si-Diode 75V 100mA 0603"
D7: library part CMP-004-00035-1, "DIODE ZENER 3.3V 250MW SOT23"
J1 J2: library part CMP-002-00076-2, "Headers & Wire Housings .050 Tiger Eye High-Reliability Locking Socket Strip"
J3 J4: library part CMP-002-00077-1, "Conn Shrouded Header (4 Sides) HDR 20 POS 1.27mm Solder ST Top Entry SMD TIGER EYE™ Tube"
L1 L2: library part CMP-14484-000406-1, "SMD Power Inductors 10uH ±20% 1.9A 84.5mΩ", Case/Package=2424, Current Rating=1.9A, DC Resistance (DCR)=84.5mR, Inductance=10uH, Inductance Tolerance=20%, Max Operating Temperature=120°C, Min Operating Temperature=-25°C, Package Quantity=2000, Resistor Type=Wirewound, Self Resonant Frequency=20MHz, Test Frequency=100kHz, Core Material=Ferrite, Halogen Free="Halogen Free", Height=2.8mm, Height - Seated (Max)=0.11inch, Lead Free="Lead Free", Length=0.236inch, Max DC Current=1.9A, Mount="Surface Mount", Number of Pins=2, Packaging="Tape and Reel", RMS Current (Irms)=1.9A, RoHS Compliant=Yes, Saturation Current=1.9A, Series=NR, Shielding=Shielded, Termination=SMD/SMT, Tolerance=20%, Width=6mm
P1 P2: library part CMP-2000-05238-1, "Male Header, Pitch 1.25 mm, 1 x 4 Position, Height 3.4 mm, -40 to 85 degC, RoHS, Tape and Reel", Current Rating=1A, Manufacturer=Molex, Package Description="1.25mm Pitch PicoBlade(TM) Header, Surface Mount, Right Angle, Lead-Free, 4 Circuits", Voltage Rating=125V, Brand=Molex, Contact Material=PhosphorBronze, Contact Plating=Tin, Datasheet URL=http://www.molex.com/pdm_docs/sd/532610471_sd.pdf, Datasheet Version="Rev. G, 01/2012", Factory Pack Quantity=1000, Housing Material=Thermoplastic, Manufacturer URL=http://www.molex.com/, Mounting Angle=Right, Mounting Style=SMD/SMT, Number of Positions=4, Number of Positions / Contacts=4, Number of Rows=1, Packaging=Reel, Pitch=1.25mm, Product Category=Headers&WireHousings, Product Type=Headers, RoHS=Details, Series=53261, Termination Style=SMD, Tradename=PicoBlade, Type=Shrouded
P3: library part CMP-002-00079-1, "Conn Shrouded Header (4 Sides) HDR 6 POS 1.25mm Solder RA Side Entry SMD PicoBlade™ T/R"
Q1 Q2 Q3 Q4: library part CMP-013-00036-1, "Trans MOSFET P-CH 20V 22.1A 8-Pin PowerPAK 1212 EP T/R"
Q5 Q6: library part CMP-1259-00116-1, "Dual P-Channel Trench MOSFET, -50 V, -0.16 A, -55 to 150 degC, 6-Pin SOT363, Tape and Reel", Manufacturer="NXP Semiconductors", Automotive Qualified=Y, Channel Type=P, Code_JEITA=SC-88, ComponentLink1Description="Manufacturer URL", ComponentLink1URL=http://www.nxp.com/, ComponentLink2Description=Datasheet, ComponentLink2URL=http://www.nxp.com/documents/data_sheet/BSS84AKS.pdf, ComponentLink3Description="Package Specification", ComponentLink3URL=http://www.nxp.com/documents/outline_drawing/sot363_po.pdf, DatasheetVersion="Rev. 1", ID [max] (A)=-0.16, IDM [max] (A)=-0.64, Mounting Technology="Surface Mount", PackageDescription="6-Pin Small Outline Transistor Package, Body 2 x 1.25 mm, Pitch 0.65 mm", PackageReference=SOT363, PackageVersion="06-03-16, 03/2006", Packing="Tape & Reel", PartNumber=BSS84AKS,115, VDS [max] (V)=-50, VGSth [typ] (V)=-1.6
Q7 Q8: library part CMP-2000-05968-1, "N-Channel Enhancement Mode Mosfet, 50 V, 200 mA, -55 to 150 degC, 6-Pin SOT-323, RoHS, Tape and Reel", Id - Continuous Drain Current=200mA, Manufacturer=DiodesIncorporated, Maximum Operating Temperature=+150C, Minimum Operating Temperature=-55C, Package / Case=SOT-323-3, Package Description="3-Pin Small Outline Transistor, Body 2 x 1.25 mm, Pitch 0.65 mm", Package Reference=SOT323, Pd - Power Dissipation=200mW, Rds On - Drain-Source Resistance=1.4Ohms, Vds - Drain-Source Breakdown Voltage=75V, Vgs - Gate-Source Voltage=20V, Brand=DiodesIncorporated, Channel Mode=Enhancement, Configuration=Single, Datasheet URL=http://www.diodes.com/_files/datasheets/ds30206.pdf, Datasheet Version="Rev. 11-2, 09/2013", Factory Pack Quantity=3000, Forward Transconductance - Min=0.1S, Height=1mm, Length=2.2mm, Manufacturer URL=http://www.diodes.com/, Mounting Style=SMD/SMT, Mounting Technology=SurfaceMount, Number of Channels=1Channel, Packaging=Reel, Product=MOSFETSmallSignal, Product Category=MOSFET, RoHS=True, Series=BSS138, Technology=Si, Transistor Polarity=N-Channel, Transistor Type=1N-Channel, Type=EnhancementModeFieldEffectTransistor, Typical Turn-Off Delay Time=20ns, Typical Turn-On Delay Time=20ns, Unit Weight=0.000212oz, Width=1.35mm
R1 R6 R9 R12 R13 R16 R18 R19 R20 R21 R22 R23 R26 R28 R32 R34 R41 R42 R43 R44 R45: library part CMP-1012-00623-3, "Chip Resistor, 10 KOhm, +/- 1%, 0.1 W, -55 to 155 degC, 0603 (1608 Metric), RoHS, Tape and Reel", Case Code (Imperial)=0603, Case Code (Metric)=1608, Manufacturer=Panasonic, Max Operating Temperature=155degC, Max Power Dissipation=100mW, Min Operating Temperature=-55degC, Package Description="2-Pin Surface Mount Device, Body 1.6 x 0.85 mm", Package Quantity=1, Package Reference=603, Resistance=10KOhm, Temperature Coefficient=100ppm\/degreesC, Tolerance=1%, Voltage Rating=75V, Case\/Package=0603, Composition=ThickFilm, Contact Plating=Tin, Datasheet URL=https://industrial.panasonic.com/cdbs/www-data/pdf/RDA0000/AOA0000C304.pdf, Datasheet Version=02/2017, Depth=0.8mm, Height=0.45mm, Lead Free=LeadFree, Length=1.6mm, Manufacturer URL=http://www.panasonic.com/, Military Standard=Not, Mount=SurfaceMount, Mounting Technology=SurfaceMount, Number of Pins=2, Number of Terminations=2, Packaging=TapeandReel, Power Rating=100mW, Radiation Hardening=No, REACH SVHC=NoSVHC, RoHSCompliant=true, Termination=SMD/SMT, Voltage Rating (DC)=75V, Width=0.031inch
R2 R7: library part CMP-2000-00213-2, "Chip Resistor, 120 Ohm, +/- 1%, 0.1 W, -55 to 155 degC, 0603 (1608 Metric), RoHS, Tape and Reel", Case Code (Imperial)=0603, Case Code (Metric)=1608, Manufacturer=Panasonic, Max Operating Temperature=155degC, Max Power Dissipation=100mW, Min Operating Temperature=-55degC, Package Description="2-Pin Surface Mount Device, Body 1.6 x 0.85 mm", Package Quantity=1, Resistance=120Ohm, Temperature Coefficient=100ppm/degreesC, Tolerance=1%, Voltage Rating=75V, Case/Package=0603, Composition=ThickFilm, Contact Plating=Tin, Datasheet URL=https://industrial.panasonic.com/cdbs/www-data/pdf/RDA0000/AOA0000C283.pdf, Datasheet Version=42095.0, Depth=0.8mm, Height=0.022inch, Lead Free=LeadFree, Length=1.6mm, Manufacturer URL=http://www.panasonic.com/, Military Standard=Not, Mount=SurfaceMount, Number of Pins=2, Number of Terminations=2, Package Reference=0603, Package URL=http://www.st.com/st-web-ui/static/active/en/resource/technical/document/datasheet/CD00001320.pdf, Packaging=TapeandReel, Power Rating=100mW, Radiation Hardening=No, REACH SVHC=NoSVHC, RoHSCompliant=true, Termination=SMD/SMT, Voltage Rating (DC)=75V, Width=0.031inch
R3 R5 R10: library part CMP-2000-03446-2, "RES Thick Film, 51Ω, 1%, 0.1W, 100ppm/°C, 0603", Case Code (Imperial)=0603, Case Code (Metric)=1608, Max Operating Temperature=155°C, Max Power Dissipation=100mW, Min Operating Temperature=-55°C, Package Quantity=10, Resistance=51R, Temperature Coefficient=100ppm/°C, Tolerance=1%, Voltage Rating=75V, Case/Package=0603, Composition="Thick Film", Contact Plating=Tin, Depth=0.85mm, Features="Automotive AEC-Q200", Height=0.45mm, Lead Free="Lead Free", Length=1.55mm, Military Standard=Not, Number of Pins=2, Number of Terminations=2, Packaging="Tape and Reel", Power Rating=100mW, Radiation Hardening=No, Termination=SMD/SMT, Voltage Rating (DC)=75V, Weight=7.1E-05oz, Width=0.85mm, Working Voltage=75V
R4 R8: library part CMP-2000-00435-2, "Chip Resistor, 330 Ohm, +/- 1%, 0.1 W, -55 to 155 degC, 0603 (1608 Metric), RoHS, Tape and Reel", Current Rating="500 mA", Max Operating Temperature="85 degC", Min Operating Temperature="-25 degC", Package Quantity=1500, Voltage Rating="10 V", ComponentLink1Description="Manufacturer URL", ComponentLink1URL=http://www.panasonic.com/, ComponentLink2Description=Datasheet, ComponentLink2URL=http://industrial.panasonic.com/cdbs/www-data/pdf/RDA0000/AOA0000C86.pdf, Contact Finish=Gold, Contact Material=Copper, Contact Plating=Gold, DatasheetVersion=Apr-15, Gender=Male, Height="1.45 mm", Lead Pitch="1.1 mm", Length="13.7 mm", Mating Cycles=10000, Mount="Surface Mount", PackageDescription="2-Pin Surface Mount Device, Body 1.6 x 0.85 mm", PackageReference=0603, Packaging="Tape and Reel", Pins=8, REACH SVHC="No SVHC", RoHSCompliant=true, Width="1.45 mm"
R11 R15: library part CMP-05422-000098-1, "RES 0.1 OHM 1% 1/2W 0805", Case Code (Imperial)=0805, Case Code (Metric)=2012, Max Operating Temperature=155°C, Max Power Dissipation=500mW, Min Operating Temperature=-55°C, Resistance=100mR, Resistor Type="Thick Film", Temperature Coefficient=150ppm/°C, Tolerance=1%, Case/Package=0805, Features="Automotive AEC-Q200", Height=0.028inch, Length=0.079inch, Number of Terminations=2, Packaging="Cut Tape", Width=0.049inch
R14 R17: library part CMP-2000-00925-1, "NOT PANASONIC, THIS IS A 1M RESISTORhttps://www.yageo.com/upload/media/product/productsearch/datasheet/rchip/PYu-RT_1-to-0.01_RoHS_L_13.pdf", Manufacturer=Panasonic, Part Number=ERA-3AEB163V
R24 R25: library part CMP-2000-03183-1, Manufacturer="Vishay Dale", Part Number=CRCW06032K70JNEA